# Altium PCB PCB2.PcbDoc (part 1 of 2)
Units mm, origin at the board's own origin, x right, y up, seen from the top; angles counter-clockwise.
Board outline 155 x 74.42 mm, 2 copper layers (Top Layer, Bottom Layer); 203 components, 228 nets, 626 pads, 108 vias.
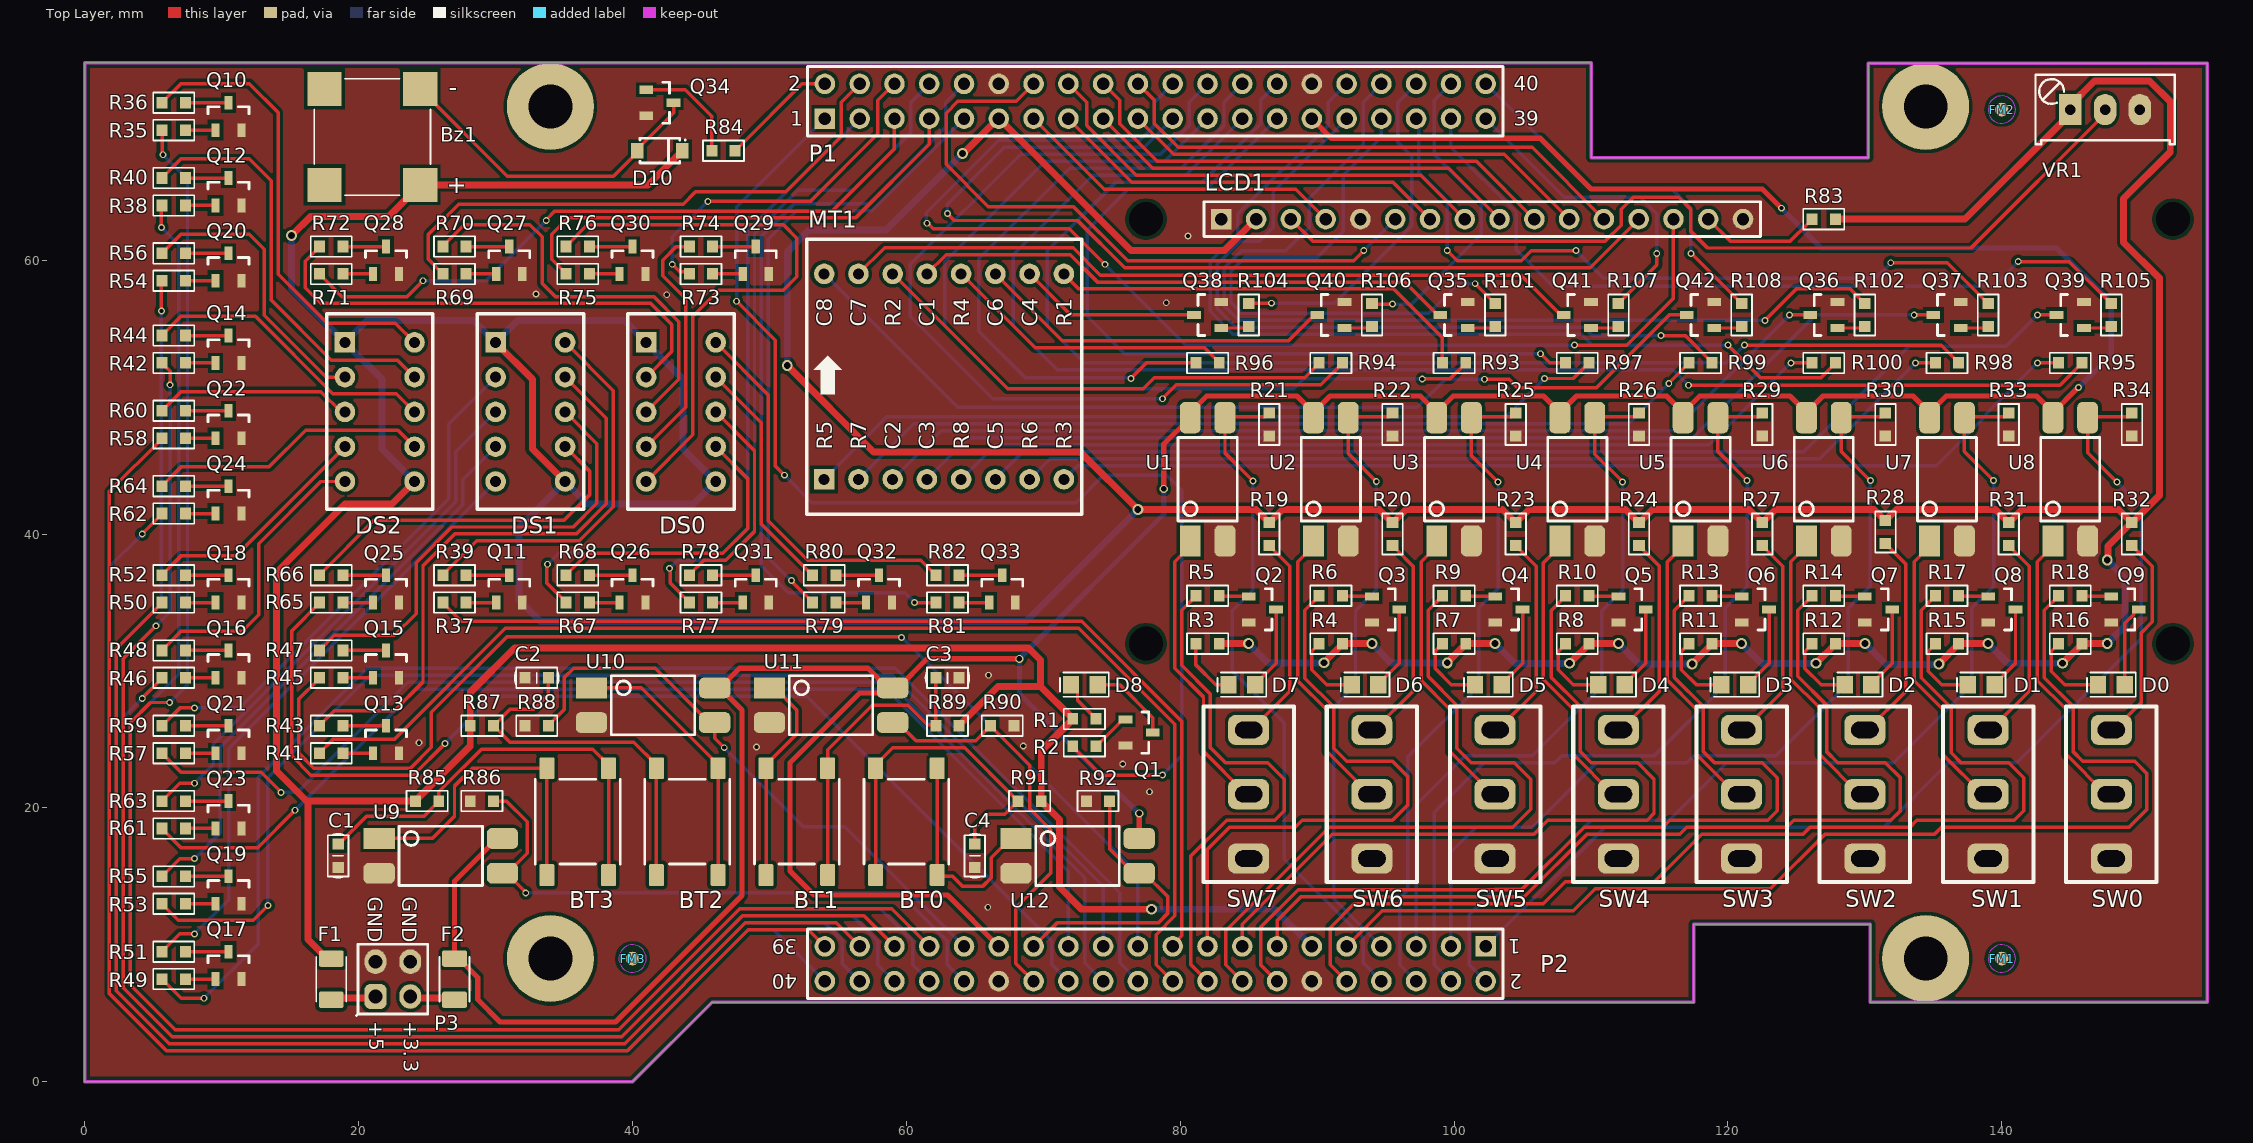
[diagram p0: Top Layer view]
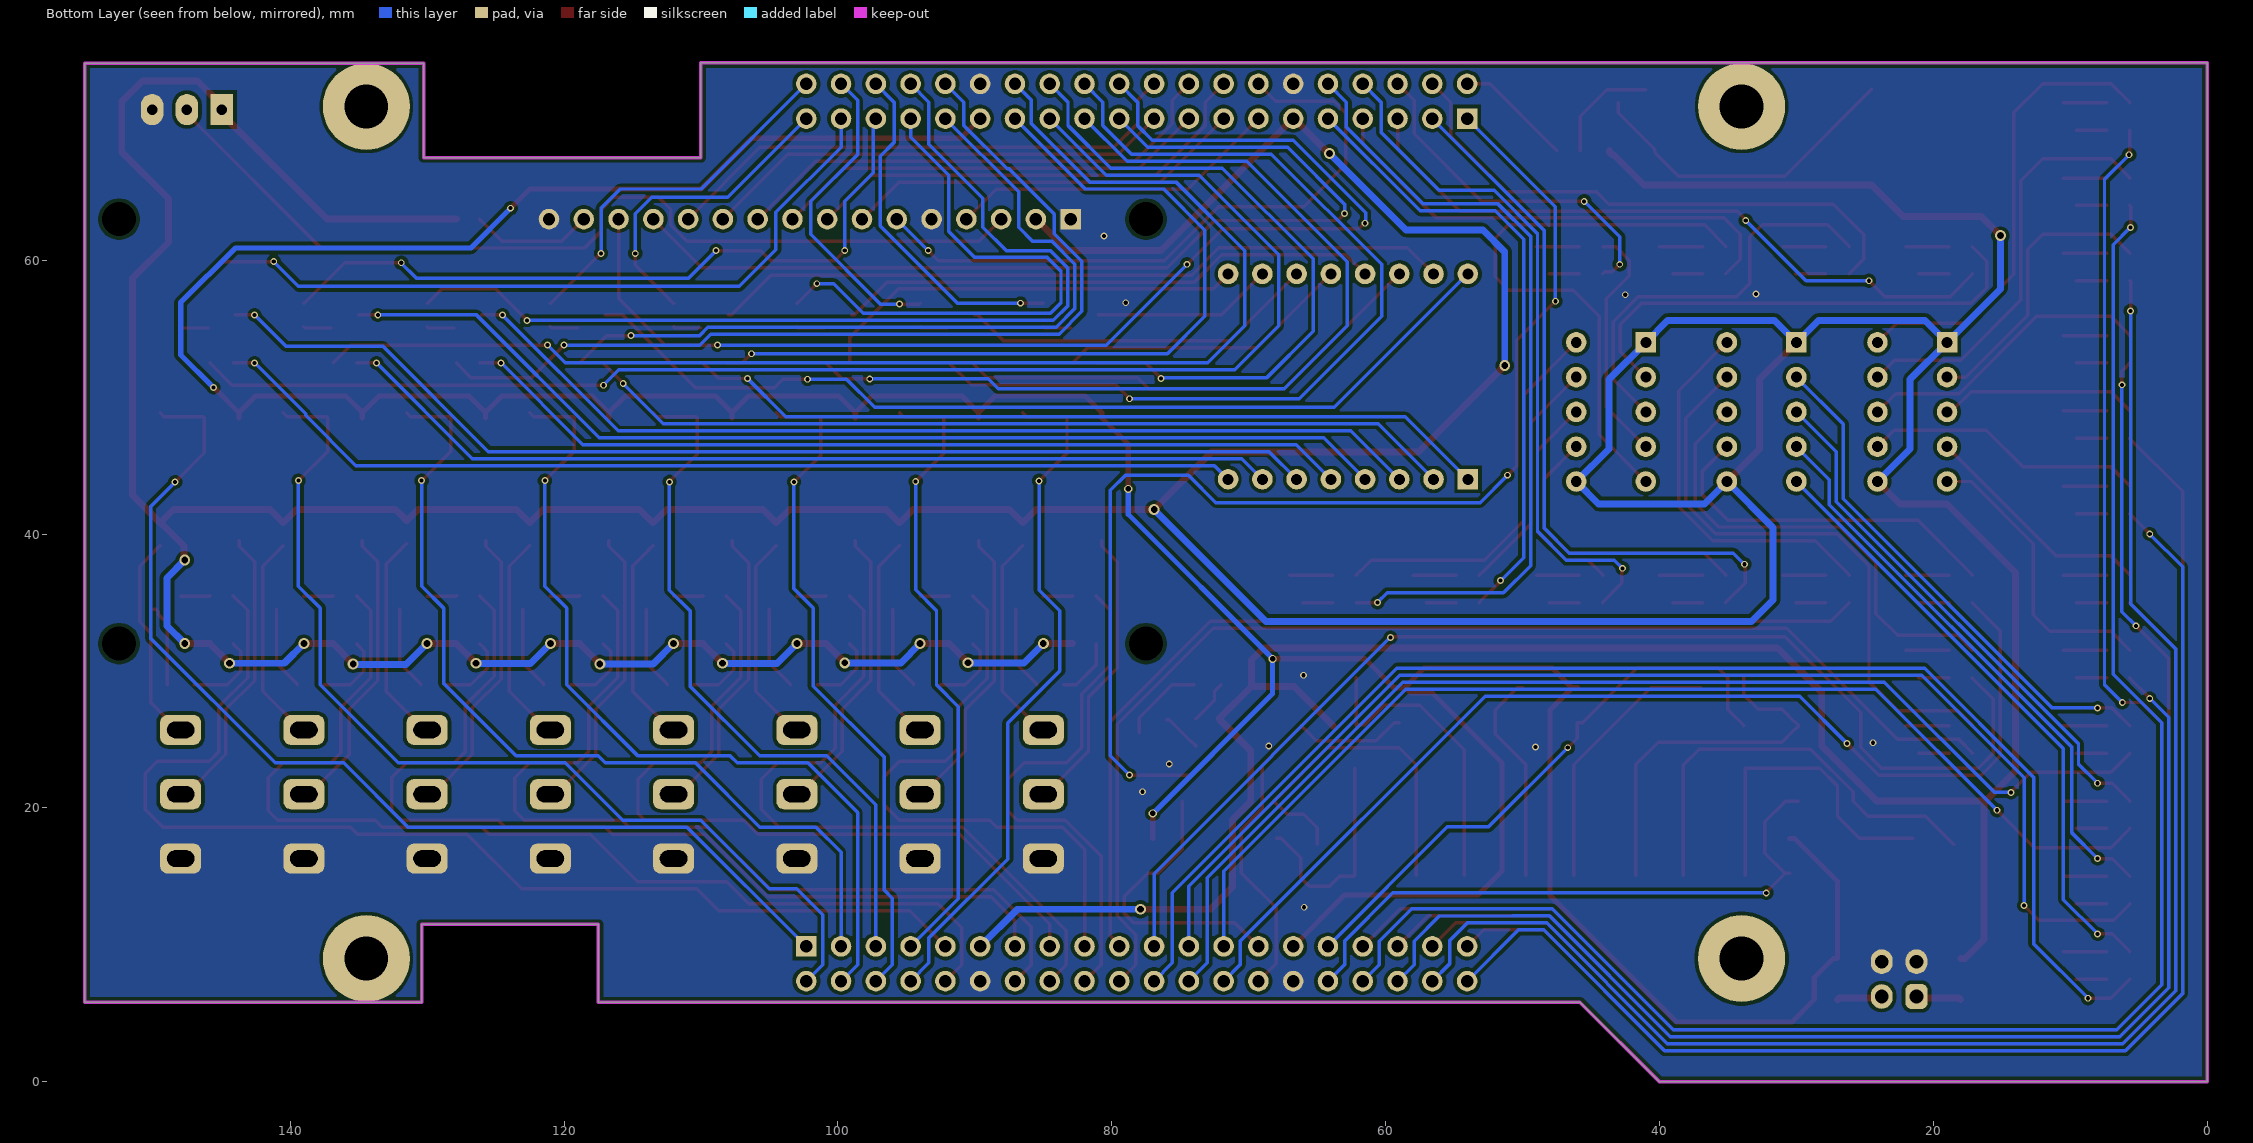
[diagram p1: Bottom Layer view, seen from below]

## Layer stack, top to bottom
Top Solder: solder mask 0.0102, Solder Resist, Dk 3.5
Top Layer: signal copper 0.0356
Dielectric 1: dielectric 0.32, FR-4, Dk 4.8
Bottom Layer: signal copper 0.0356
Bottom Solder: solder mask 0.0102, Solder Resist, Dk 3.5

## Board outline
0,0 0,74.418 110,74.418 110,67.5 130.25,67.5 130.25,74.392 155,74.392 155,5.812 130.4,5.812 130.4,11.5 117.5,11.5 117.5,5.812 45.812,5.812 40,0

## Design rules (kind name [scope] priority, off if disabled: settings)
Clearance [All] p1: gap=0.254 ignorepadtopadclearanceinfootprint=FALSE except(0: Arc-Hole Track-Hole SMDPad-Hole THPad-Hole Via-Hole Fill-Hole Poly-Hole Region-Hole Text-Hole; 0.15: SMDPad-Text THPad-Text; 0.33: Arc-THPad Track-THPad; 0.5: THPad-THPad)
DiffPairsRouting [All] p1: maxlimit=0.254 minlimit=0.254 mostfreqgap=0.254 toplayer_minwidth=0.127 toplayer_maxwidth=0.381 toplayer_prefwidth=0.381 bottomlayer_minwidth=0.127 bottomlayer_maxwidth=0.381 bottomlayer_prefwidth=0.381 maxuncoupledlength=12.7
HoleSize [All] p1: absolutevalues=TRUE maxlimit=6.3 minlimit=0.3 maxpercent=80.000 minpercent=20.000
HoleToHoleClearance [All] p1: gap=0.5 allowstackedmicrovias=TRUE
PlaneConnect [All] p1: planeconnectstyle=Direct reliefexpansion=0.508 reliefentries=4 reliefconductorwidth=0.254 reliefairgap=0.254
PolygonConnect [All] p1: connectstyle=Direct reliefconductorwidth=0.254 reliefentries=4 polygonreliefangle="90 Angle" airgapwidth=0.254
RoutingVias [All] p1: holewidth=0.711 width=1.27 viastyle="Through Hole" minholewidth=0.3 minwidth=0.5 maxholewidth=0.711 maxwidth=1.27
SilkToSolderMaskClearance [IsText] p1: minsilkscreentomaskgap=0.254 clearancetoexposedcopper=TRUE
SolderMaskExpansion [All] p1: expansion=0.05 istentingtop=FALSE
Width [All] p1: maxlimit=1.27 minlimit=0.127 preferedwidth=0.254
25 further rules are at their usual default settings.

## Classes and differential pairs
component class switch: R19 R20 R21 R22 R23 R24 R25 R26 R27 R28 R29 R30 R31 R32 R33 R34 SW0 SW1 SW2 SW3 SW4 SW5 SW6 SW7 U1 U2 U3 U4 U5 U6 U7 U8
component class matrix: MT1 Q35 Q36 Q37 Q38 Q39 Q40 Q41 Q42 R93 R94 R95 R96 R97 R98 R99 R100 R101 R102 R103 R104 R105 R106 R107 R108
component class led: D0 D1 D2 D3 D4 D5 D6 D7 D8 Q1 Q2 Q3 Q4 Q5 Q6 Q7 Q8 Q9 R1 R2 R3 R4 R5 R6 R7 R8 R9 R10 R11 R12 R13 R14 R15 R16 R17 R18
component class lcd: LCD1 R83 VR1
component class gpio: F1 F2 FM1 FM2 FM3 P1 P2 P3
component class buzzer: Bz1 D10 Q34 R84
component class button: BT0 BT1 BT2 BT3 C1 C2 C3 C4 R85 R86 R87 R88 R89 R90 R91 R92 U9 U10 U11 U12
component class 7seg: DS0 DS1 DS2 Q10 Q11 Q12 Q13 Q14 Q15 Q16 Q17 Q18 Q19 Q20 Q21 Q22 Q23 Q24 Q25 Q26 Q27 Q28 Q29 Q30 Q31 Q32 Q33 R35 R36 R37 R38 R39 R40 R41 R42 R43 R44 R45 R46 R47 R48 R49 R50 R51 R52 R53 R54 R55 R56 R57 R58 R59 R60 R61 R62 R63 R64 R65 R66 R67 R68 R69 R70 R71 R72 R73 R74 R75 R76 R77 R78 R79 R80 R81 R82

## Components (designator, comment, footprint, x,y, rotation, side; value= is the part's Value field where it differs from the comment)
BT0 "Button" SW/4/SMD/XS 60,19 r270 top
BT1 "Button" SW/4/SMD/XS 52,19 r90 top
BT2 "Button" SW/4/SMD/XS 44,19 r270 top
BT3 "Button" SW/4/SMD/XS 36,19 r90 top
Bz1 "Buzzer" CUI_CMT-8530S-SMT 21,69 r0 top
C1 "1uF" "C 0603" 18.5,16.5 r90 top
C2 "1uF" "C 0603" 33,29.5 r0 top
C3 "1uF" "C 0603" 63,29.5 r180 top
C4 "1uF" "C 0603" 65,16.5 r90 top
D0 "Led" "Led 0805" 148,29 r0 top
D1 "Led" "Led 0805" 138.5,29 r0 top
D2 "Led" "Led 0805" 129.5,29 r0 top
D3 "Led" "Led 0805" 120.5,29 r0 top
D4 "Led" "Led 0805" 111.5,29 r0 top
D5 "Led" "Led 0805" 102.5,29 r0 top
D6 "Led" "Led 0805" 93.5,29 r0 top
D7 "Led" "Led 0805" 84.5,29 r0 top
D8 "Led" "Led 0805 RED" 73,29 r0 top
D10 "Diode" SOD123 42,68 r0 top
DS0 "LED7 SA" "Led7seg 0.36in" 41,54 r0 top
DS1 "LED7 SA" "Led7seg 0.36in" 30,54 r0 top
DS2 "LED7 SA" "Led7seg 0.36in" 19,54 r0 top
F1 "Fuse" "Fuse 1206" 18,9 r270 top
F2 "Fuse" "Fuse 1206" 27,9 r270 top
FM1 "Fiducial" Fiducial 140,9 r0 top
FM2 "Fiducial" Fiducial 140,71 r90 top
FM3 "Fiducial" Fiducial 40,9 r90 top
LCD1 "Header 16" HDR1X16 83,63 r0 top locked
MT1 "Matrix 8x8S" "Led Matrix 1.9mm" 54,44 r0 top
P1 "Header 20X2" "Header FM 2x20" 54.05,70.34 r0 top locked
P2 "Header 20X2" "Header FM 2x20" 102.31,9.89 r180 top locked
P3 "Header 2X2" HDR/Header/4/DL 22.5,7.5 r0 top
Q1 "NPN" SOT-23 77,25.5 r0 top
Q2 "NPN" SOT-23 86,34.5 r0 top
Q3 "NPN" SOT-23 95,34.5 r0 top
Q4 "NPN" SOT-23 104,34.5 r0 top
Q5 "NPN" SOT-23 113,34.5 r0 top
Q6 "NPN" SOT-23 122,34.5 r0 top
Q7 "NPN" SOT-23 131,34.5 r0 top
Q8 "NPN" SOT-23 140,34.5 r0 top
Q9 "NPN" SOT-23 149,34.5 r0 top
Q10 "NPN" SOT-23 10.5,70.5 r90 top
Q11 "NPN" SOT-23 31,36 r90 top
Q12 "NPN" SOT-23 10.5,65 r90 top
Q13 "NPN" SOT-23 22,25 r90 top
Q14 "NPN" SOT-23 10.5,53.5 r90 top
Q15 "NPN" SOT-23 22,30.5 r90 top
Q16 "NPN" SOT-23 10.5,30.5 r90 top
Q17 "NPN" SOT-23 10.5,8.5 r90 top
Q18 "NPN" SOT-23 10.5,36 r90 top
Q19 "NPN" SOT-23 10.5,14 r90 top
Q20 "NPN" SOT-23 10.5,59.5 r90 top
Q21 "NPN" SOT-23 10.5,25 r90 top
Q22 "NPN" SOT-23 10.5,48 r90 top
Q23 "NPN" SOT-23 10.5,19.5 r90 top
Q24 "NPN" SOT-23 10.5,42.5 r90 top
Q25 "NPN" SOT-23 22,36 r90 top
Q26 "NPN" SOT-23 40,36 r90 top
Q27 "NPN" SOT-23 31,60 r90 top
Q28 "NPN" SOT-23 22,60 r90 top
Q29 "NPN" SOT-23 49,60 r90 top
Q30 "NPN" SOT-23 40,60 r90 top
Q31 "NPN" SOT-23 49,36 r90 top
Q32 "NPN" SOT-23 58,36 r90 top
Q33 "NPN" SOT-23 67,36 r90 top
Q34 "NPN" SOT-23 42,71.5 r0 top
Q35 "NPN" SOT-23 100,56 r180 top
Q36 "NPN" SOT-23 127,56 r180 top
Q37 "NPN" SOT-23 136,56 r180 top
Q38 "NPN" SOT-23 82,56 r180 top
Q39 "NPN" SOT-23 145,56 r180 top
Q40 "NPN" SOT-23 91,56 r180 top
Q41 "NPN" SOT-23 109,56 r180 top
Q42 "NPN" SOT-23 118,56 r180 top
R1 "330" "R 0603" 73,26.5 r0 top
R2 "10k" "R 0603" 73,24.5 r0 top
R3 "330" "R 0603" 82,32 r180 top
R4 "330" "R 0603" 91,32 r180 top
R5 "10k" "R 0603" 82,35.5 r0 top
R6 "10k" "R 0603" 91,35.5 r0 top
R7 "330" "R 0603" 100,32 r180 top
R8 "330" "R 0603" 109,32 r180 top
R9 "10k" "R 0603" 100,35.5 r0 top
R10 "10k" "R 0603" 109,35.5 r0 top
R11 "330" "R 0603" 118,32 r180 top
R12 "330" "R 0603" 127,32 r180 top
R13 "10k" "R 0603" 118,35.5 r0 top
R14 "10k" "R 0603" 127,35.5 r0 top
R15 "330" "R 0603" 136,32 r180 top
R16 "330" "R 0603" 145,32 r180 top
R17 "10k" "R 0603" 136,35.5 r0 top
R18 "10k" "R 0603" 145,35.5 r0 top
R19 "1k" "R 0603" 86.5,40 r270 top
R20 "1k" "R 0603" 95.5,40 r270 top
R21 "10k" "R 0603" 86.5,48 r90 top
R22 "10k" "R 0603" 95.5,48 r90 top
R23 "1k" "R 0603" 104.5,40 r270 top
R24 "1k" "R 0603" 113.5,40 r270 top
R25 "10k" "R 0603" 104.5,48 r90 top
R26 "10k" "R 0603" 113.5,48 r90 top
R27 "1k" "R 0603" 122.5,40 r270 top
R28 "1k" "R 0603" 131.5,40.15 r270 top
R29 "10k" "R 0603" 122.5,48 r90 top
R30 "10k" "R 0603" 131.5,48 r90 top
R31 "1k" "R 0603" 140.5,40 r270 top
R32 "1k" "R 0603" 149.5,40 r270 top
R33 "10k" "R 0603" 140.5,48 r90 top
R34 "10k" "R 0603" 149.5,48 r90 top
R35 "10k" "R 0603" 6.5,69.5 r0 top
R36 "1k" "R 0603" 6.5,71.5 r180 top
R37 "10k" "R 0603" 27,35 r0 top
R38 "10k" "R 0603" 6.5,64 r0 top
R39 "1k" "R 0603" 27,37 r180 top
R40 "1k" "R 0603" 6.5,66 r180 top
R41 "10k" "R 0603" 18,24 r0 top
R42 "10k" "R 0603" 6.5,52.5 r0 top
R43 "1k" "R 0603" 18,26 r180 top
R44 "1k" "R 0603" 6.5,54.5 r180 top
R45 "10k" "R 0603" 18,29.5 r0 top
R46 "10k" "R 0603" 6.5,29.5 r0 top
R47 "1k" "R 0603" 18,31.5 r180 top
R48 "1k" "R 0603" 6.5,31.5 r180 top
R49 "10k" "R 0603" 6.5,7.5 r0 top
R50 "10k" "R 0603" 6.5,35 r0 top
R51 "1k" "R 0603" 6.5,9.5 r180 top
R52 "1k" "R 0603" 6.5,37 r180 top
R53 "10k" "R 0603" 6.5,13 r0 top
R54 "10k" "R 0603" 6.5,58.5 r0 top
R55 "1k" "R 0603" 6.5,15 r180 top
R56 "1k" "R 0603" 6.5,60.5 r180 top
R57 "10k" "R 0603" 6.5,24 r0 top
R58 "10k" "R 0603" 6.5,47 r0 top
R59 "1k" "R 0603" 6.5,26 r180 top
R60 "1k" "R 0603" 6.5,49 r180 top
R61 "10k" "R 0603" 6.5,18.5 r0 top
R62 "10k" "R 0603" 6.5,41.5 r0 top
R63 "1k" "R 0603" 6.5,20.5 r180 top
R64 "1k" "R 0603" 6.5,43.5 r180 top
R65 "10k" "R 0603" 18,35 r0 top
R66 "1k" "R 0603" 18,37 r180 top
R67 "10k" "R 0603" 36,35 r0 top
R68 "1k" "R 0603" 36,37 r180 top
R69 "10k" "R 0603" 27,59 r0 top
R70 "1k" "R 0603" 27,61 r180 top
R71 "10k" "R 0603" 18,59 r0 top
R72 "1k" "R 0603" 18,61 r180 top
R73 "10k" "R 0603" 45,59 r0 top
R74 "1k" "R 0603" 45,61 r180 top
R75 "10k" "R 0603" 36,59 r0 top
R76 "1k" "R 0603" 36,61 r180 top
R77 "10k" "R 0603" 45,35 r0 top
R78 "1k" "R 0603" 45,37 r180 top
R79 "10k" "R 0603" 54,35 r0 top
R80 "1k" "R 0603" 54,37 r180 top
R81 "10k" "R 0603" 63,35 r0 top
R82 "1k" "R 0603" 63,37 r180 top
R83 "1k" "R 0603" 127,63 r180 top
R84 "4.7k" "R 0603" 46.65,68 r180 top
R85 "1k" "R 0603" 25,20.5 r0 top
R86 "10k" "R 0603" 29,20.5 r0 top
R87 "1k" "R 0603" 29,26 r0 top
R88 "10k" "R 0603" 33,26 r0 top
R89 "1k" "R 0603" 63,26 r180 top
R90 "10k" "R 0603" 67,26 r180 top
R91 "1k" "R 0603" 69,20.5 r180 top
R92 "10k" "R 0603" 74,20.5 r0 top
R93 "1k" "R 0603" 100,52.5 r180 top
R94 "1k" "R 0603" 91,52.5 r180 top
R95 "1k" "R 0603" 145,52.5 r180 top
R96 "1k" "R 0603" 82,52.5 r0 top
R97 "1k" "R 0603" 109,52.5 r0 top
R98 "1k" "R 0603" 136,52.5 r180 top
R99 "1k" "R 0603" 118,52.5 r180 top
R100 "1k" "R 0603" 127,52.5 r180 top
R101 "10k" "R 0603" 103,56 r270 top
R102 "10k" "R 0603" 130,56 r270 top
R103 "10k" "R 0603" 139,56 r270 top
R104 "10k" "R 0603" 85,56 r270 top
R105 "10k" "R 0603" 148,56 r270 top
R106 "10k" "R 0603" 94,56 r270 top
R107 "10k" "R 0603" 112,56 r270 top
R108 "10k" "R 0603" 121,56 r270 top
SW0 "SW SPDT" SW/3/SPDT/SS12D10 148,21 r90 top
SW1 "SW SPDT" SW/3/SPDT/SS12D10 139,21 r90 top
SW2 "SW SPDT" SW/3/SPDT/SS12D10 130,21 r90 top
SW3 "SW SPDT" SW/3/SPDT/SS12D10 121,21 r90 top
SW4 "SW SPDT" SW/3/SPDT/SS12D10 112,21 r90 top
SW5 "SW SPDT" SW/3/SPDT/SS12D10 103,21 r90 top
SW6 "SW SPDT" SW/3/SPDT/SS12D10 94,21 r90 top
SW7 "SW SPDT" SW/3/SPDT/SS12D10 85,21 r90 top
U1 "PC817" "SOP4 - PC817" 82,44 r90 top
U2 "PC817" "SOP4 - PC817" 91,44 r90 top
U3 "PC817" "SOP4 - PC817" 100,44 r90 top
U4 "PC817" "SOP4 - PC817" 109,44 r90 top
U5 "PC817" "SOP4 - PC817" 118,44 r90 top
U6 "PC817" "SOP4 - PC817" 127,44 r90 top
U7 "PC817" "SOP4 - PC817" 136,44 r90 top
U8 "PC817" "SOP4 - PC817" 145,44 r90 top
U9 "PC817" "SOP4 - PC817" 26,16.5 r0 top
U10 "PC817" "SOP4 - PC817" 41.5,27.5 r0 top
U11 "PC817" "SOP4 - PC817" 54.5,27.5 r0 top
U12 "PC817" "SOP4 - PC817" 72.5,16.5 r0 top
VR1 "10K" VR1 145,71 r0 top value="VR 10K"

## Footprints (in the part's own frame and the unit in brackets; to place one, negate y for a bottom-side part, rotate by r counter-clockwise, add the part's x,y. Pads: shape width x height; smd on the part's side, far side on the other; paste and mask are expansions set on the pad)
"C 0603" [mm] "Chip Capacitor, 2-Leads, Body 1.6x0.8mm, IPC Medium Density"
  rect 0.8x0.85 smd: 1(-0.85,0) 2(0.85,0)
  silkscreen extent -1.6,-0.75 1.6,0.75, body extent -0.8,-0.43 0.8,0.43, height 0.81
CUI_CMT-8530S-SMT [mm]
  rect 2.5x2.5 smd: 1(-3.5,3.5) 2(-3.5,-3.5) N(3.5,3.5) P(3.5,-3.5)
  silkscreen extent -4.25,-4.25 4.25,4.25, body extent -4.25,-4.25 4.25,4.25, height 3
Fiducial [mm] "Fiducial Marker"
  round 1 smd paste-1 mask+0.5: ""(0,0)
  Top Layer keep-out circle w0.01: c0,0 r1
  body extent -0.5,-0.5 0.5,0.5
"Fuse 1206" [mm]
  rrect25% 1.2x1.82 smd: 1(0,0) 2(3.01,0)
  silkscreen extent -0.12,-1.09 3.14,1.09, body extent -0.13,-0.82 3.13,0.82, height 0.43
HDR1X16 [mm] "Connector; Header; 16 Position"
  rect 1.5x1.5 hole 0.9: 1(0,0)
  round 1.5 hole 0.9: 2(2.54,0) 3(5.08,0) 4(7.62,0) 5(10.16,0) 6(12.7,0) 7(15.24,0) 8(17.78,0) 9(20.32,0) 10(22.86,0) 11(25.4,0) 12(27.94,0) 13(30.48,0) 14(33.02,0) 15(35.56,0) 16(38.1,0)
  silkscreen extent -1.27,-1.27 39.37,1.27, body extent -1.41,-1.26 39.48,1.24, height 7.92
HDR/Header/4/DL [mm]
  rrect50% 1.6x1.8 hole 1: 1(-1.27,-1.27)
  oval 1.6x1.8 hole 1: 2(-1.27,1.27) 3(1.27,-1.27) 4(1.27,1.27)
  silkscreen extent -2.67,-2.67 2.54,2.54, body extent -2.54,-2.54 2.54,2.54, height 8.89
"Header FM 2x20" [mm] "Header Female 2x20"
  rect 1.5x1.5 hole 0.9: 1(0,0)
  round 1.5 hole 0.9: 2(0,2.54) 3(2.54,0) 4(2.54,2.54) 5(5.08,0) 6(5.08,2.54) 7(7.62,0) 8(7.62,2.54) 9(10.16,0) 10(10.16,2.54) 11(12.7,0) 12(12.7,2.54) 13(15.24,0) 14(15.24,2.54) 15(17.78,0) 16(17.78,2.54) 17(20.32,0) 18(20.32,2.54) 19(22.86,0) 20(22.86,2.54) 21(25.4,0) 22(25.4,2.54) 23(27.94,0) 24(27.94,2.54) 25(30.48,0) 26(30.48,2.54) 27(33.02,0) 28(33.02,2.54) 29(35.56,0) 30(35.56,2.54) 31(38.1,0) 32(38.1,2.54) 33(40.64,0) 34(40.64,2.54) 35(43.18,0) 36(43.18,2.54) 37(45.72,0) 38(45.72,2.54) 39(48.26,0) 40(48.26,2.54)
  silkscreen extent -1.27,-1.27 49.53,3.81, body extent -1.42,-1.27 49.68,3.73, height 8.5
"Led7seg 0.36in" [mm] "Led 7 segment 7.5x14x8.5mm"
  rect 1.5x1.5 hole 0.8: 1(0,0)
  round 1.5 hole 0.8: 2(0,-2.54) 3(0,-5.08) 4(0,-7.62) 5(0,-10.16) 6(5.08,-10.16) 7(5.08,-7.62) 8(5.08,-5.08) 9(5.08,-2.54) 10(5.08,0)
  silkscreen extent -1.35,-12.19 6.43,2.08, body extent -1.21,-12.05 6.29,1.95, height 8.5
"Led 0805" [mm] "Led SMD 0805"
  rect 1.2x1.3 smd: 1(-0.975,0) 2(0.975,0)
  silkscreen extent -1.78,-0.89 1.78,0.89, body extent -1.01,-0.64 1.01,0.61, height 1.1
"Led 0805 RED" [mm] "Led SMD 0805"
  rect 1.2x1.3 smd: 1(-0.975,0) 2(0.975,0)
  silkscreen extent -1.78,-0.89 1.78,0.89, body extent -1.01,-0.63 1.01,0.62, height 1.1
"Led Matrix 1.9mm" [mm] "Led Matrix 8x8 - 20 x 20 x 9.5mm"
  rect 1.5x1.5 hole 0.8: 1(0,0)
  round 1.5 hole 0.8: 2(2.5,0) 3(5,0) 4(7.5,0) 5(10,0) 6(12.5,0) 7(15,0) 8(17.5,0) 9(17.5,15) 10(15,15) 11(12.5,15) 12(10,15) 13(7.5,15) 14(5,15) 15(2.5,15) 16(0,15)
  silkscreen extent -1.27,-2.54 18.8,17.53, body extent -1.24,-2.51 18.76,17.49, height 6
"R 0603" [mm] "Chip Resistor, 2-Leads, Body 1.6x0.8mm, IPC Medium Density"
  rect 0.8x0.85 smd: 1(-0.85,0) 2(0.85,0)
  silkscreen extent -1.5,-0.75 1.5,0.75, body extent -0.8,-0.4 0.8,0.4, height 0.5
SOD123 [mm] "Molded Diode, 2-Leads, Body 2.7x1.6mm, IPC Medium Density"
  rect 0.91x1.143 smd: 1(-1.64,0) 2(1.64,0)
  silkscreen extent -1.45,-0.9 1.9,0.9, body extent -1.85,-0.78 1.85,0.77, height 1.35
"SOP4 - PC817" [mil]
  rect 90x60 smd: 1(-177.17,50)
  rrect50% 90x60 smd: 2(-177.17,-50) 3(177.17,-50) 4(177.17,50)
  silkscreen extent -120,-85 120,85, body extent -197,-90 197,90, height 151
SOT-23 [mm] "SOT23, 3-Leads, Body 3.0x2.5mm (max), Pitch 0.95mm, IPC Medium Density"
  rect 1x0.6 smd: 1(-1,0.95) 2(-1,-0.95) 3(1,0)
  silkscreen extent 0.2,-1.5 0.7,1.5, body extent -1.28,-1.46 1.27,1.46, height 0.95
SW/3/SPDT/SS12D10 [mm]
  rrect50% 2.2x3 hole 1.2 slot 2 at 90 deg: 1(-4.7,0) 2(0,0) 3(4.7,0)
  silkscreen extent -6.4,-3.3 6.4,3.3, body extent -6.4,-3.3 6.35,3.8, height 12.5
SW/4/SMD/XS [mm]
  rrect20% 1.6x1.1 smd: 1(-3.9,-2.25) 1(3.9,-2.25) 2(-3.9,2.25) 2(3.9,2.25)
  silkscreen extent -3.1,-3.1 3.1,3.1, body extent -4.5,-3 4.5,3, height 7
VR1 [mil] "Variable Resistor"
  rect 65x90 hole 30: 1(0,0)
  oval 65x90 hole 30: 2(100,0) 3(200,0)
  silkscreen extent -100,-100 301,100, body extent -88,-130 288,110, height 455

## Part data
BT0 BT1 BT2 BT3: library part "SW SPST", "Tact switch 2 pin"
Bz1: library part CMT-8530S-SMT, "8.5 mm, 3.6 Vo-p, 90 dB, Surface Mount _SMT_, Magnetic Audio Transducer Buzzer", Package=CUI, Availability=Unavailable, CUI_purchase_URL=https://www.cuidevices.com/product/audio/buzzers/audio-transducers/cmt-8530s-smt-tr?utm_source=snapeda.com&utm_medium=referral&utm_campaign=snapedaBOM, MF="CUI Devices", MP=CMT-8530S-SMT-TR, Price=None, SnapEDA_Link=https://www.snapeda.com/parts/CMT-8530S-SMT-TR/CUI%20Devices/view-part/649163/?ref=snap
C1 C2 C3 C4: library part "Capacitor NP", "Capacitor non-pol"
D0 D1 D2 D3 D4 D5 D6 D7 D8: "Typical LED"
D10: "Default Diode"
FM1 FM2 FM3: "Fiducial Marker"
LCD1: "Header, 16-Pin", LatestRevisionDate=17-Jul-2002, LatestRevisionNote="Re-released for DXP Platform.", Publisher="Altium Limited"
MT1: library part "LED 8x8S", "Matrix 8x8,  Single colour"
P1 P2: "Header, 20-Pin, Dual row", LatestRevisionDate=17-Jul-2002, LatestRevisionNote="Re-released for DXP Platform.", Publisher="Altium Limited"
P3: "Header, 2-Pin, Dual row"
Q1 Q2 Q3 Q4 Q5 Q6 Q7 Q8 Q9 Q10 Q11 Q12 Q13 Q14 Q15 Q16 Q17 Q18 Q19 Q20 Q21 Q22 Q23 Q24 Q25 Q26 Q27 Q28 Q29 Q30 Q31 Q32 Q33 Q34 Q35 Q36 Q37 Q38 Q39 Q40 Q41 Q42: library part "Transistor NPN", "NPN Bipolar Transistor"
R1 R2 R3 R4 R5 R6 R7 R8 R9 R10 R11 R12 R13 R14 R15 R16 R17 R18 R19 R20 R21 R22 R23 R24 R25 R26 R27 R28 R29 R30 R31 R32 R33 R34 R35 R36 R37 R38 R39 R40 R41 R42 R43 R44 R45 R46 R47 R48 R49 R50 R51 R52 R53 R54 R55 R56 R57 R58 R59 R60 R61 R62 R63 R64 R65 R66 R67 R68 R69 R70 R71 R72 R73 R74 R75 R76 R77 R78 R79 R80 R81 R82 R83 R84 R85 R86 R87 R88 R89 R90 R91 R92 R93 R94 R95 R96 R97 R98 R99 R100 R101 R102 R103 R104 R105 R106 R107 R108: library part Resistor, "Resistor"
U1 U2 U3 U4 U5 U6 U7 U8 U9 U10 U11 U12: "Opto PC817B"
VR1: library part VR1, "Var Resistor"

## Free pads (board coordinates)
  round 0 hole 2.5: 12(77.5,63) 13(77.5,32) 14(152.5,63) 15(152.5,32)
  round 6.35 hole 3.2: ""(34,9) ""(34,71.23) ""(134.44,9) ""(134.44,71.23)

## Via types
v1: diameter 0.5, hole 0.3, Top Layer to Bottom Layer, 84 vias
v2: diameter 0.8, hole 0.5, Top Layer to Bottom Layer, 21 vias
v3: diameter 0.6, hole 0.4, Top Layer to Bottom Layer, 3 vias

## Nets (pads, with @x,y where several pads share a name; then routed paths per layer and width w, separated by ;. In a path a pad name is that pad's centre, name@x,y a point inside that pad or via, vN(x,y) a via of type N, cw(c..) or ccw(c..) an arc to the next point about the centre after c; other vN are vias at no path point)
+3.3: F2.1 P1.29 P2.29 U1.4 U2.4 U3.4 U4.4 U5.4 U6.4 U7.4 U8.4 U9.4 U10.4 U11.4 U12.4 | length 299.4
  Top Layer w0.381: U9.4@30.5,17.77 30.119,17.77 27,14.651 F2.1@27,9 27.31,9 28.7,7.61 28.7,6 30.329,4.372 38.763,4.372 48,13.608 48,27.151 U10.4@46.381,28.77 ; U10.4@46,28.77 U10.4@46.381,28.77 ; U11.4@58.516,28.77 58.146,28.4 56.6,28.4 51.5,23.3 51.5,15.4 53.265,13.635 63.005,13.635 P2.29@66.75,9.89 ; v3(68.259,30.887) 68.246,30.9 61.511,30.9 59.381,28.77 58.619,28.77 57.189,30.2 47.811,30.2 U10.4@46.381,28.77 ; U12.4@77,17.77 v3(77,19.6) ; v3(78.8,43.3) 78.8,46.57 U1.4@80.73,48.5 80.73,48.881 81.937,50.088 88.524,50.088 U2.4@89.73,48.881 ; P1.29@89.61,70.34 91.05,68.9 106.3,68.9 110,65.2 122.5,65.2 v1(123.9,63.8) ; U2.4@89.73,48.5 U2.4@89.73,48.881 ; U3.4@98.73,48.5 U3.4@98.73,48.881 ; U4.4@107.73,48.5 U4.4@107.73,48.881 ; U5.4@116.73,48.5 U5.4@116.73,48.881 ; U6.4@125.73,48.5 U6.4@125.73,48.881 ; U7.4@134.73,48.5 U7.4@134.73,48.881 ; U8.4@143.73,48.5 U8.4@143.73,48.856 ; v1(145.6,50.7) 145.575,50.7 U8.4@143.73,48.856 ; U2.4@89.73,48.881 90.937,50.088 97.524,50.088 U3.4@98.73,48.881 ; U3.4@98.73,48.881 99.937,50.088 106.524,50.088 U4.4@107.73,48.881 ; U4.4@107.73,48.881 108.937,50.088 115.524,50.088 U5.4@116.73,48.881 ; U5.4@116.73,48.881 117.937,50.088 124.524,50.088 U6.4@125.73,48.881 ; U6.4@125.73,48.881 126.937,50.088 133.524,50.088 U7.4@134.73,48.881 ; U7.4@134.73,48.881 135.937,50.088 142.524,50.088 143.73,48.881 U8.4@143.73,48.856
  Bottom Layer w0.381: P2.29@66.75,9.89 P2.29@66.77,9.89 ; v3(68.259,30.887) 68.259,28.341 v3(77,19.6) ; v3@68.259,30.907 78.8,41.448 v3(78.8,43.3) ; v1(123.9,63.8) 126.8,60.9 144,60.9 148,56.9 148,53.1 v1(145.6,50.7)
+5: Bz1.P D10.2 DS0.1 DS0.6 DS1.1 DS1.6 DS2.1 DS2.6 F1.1 LCD1.2 P1.11 P2.11 R1.1 R3.1 R4.1 R7.1 R8.1 R11.1 R12.1 R15.1 R16.1 R19.1 R20.1 R23.1 R24.1 R27.1 R28.1 R31.1 R32.1 R83.1 R85.1 R87.1 R89.1 R91.1 VR1.1 | length 631.3
  Top Layer w0.508: v2(15.1,61.8) 16.5,63.2 22.2,63.2 Bz1.P@24.5,65.5 41.14,65.5 43.323,67.683 43.439,67.683 43.64,67.884 D10.2@43.64,68 ; F1.1@18,9 17.69,9 16.3,10.39 16.3,20.4 ; DS2.6@24.08,43.84 22.44,42.2 19,42.2 14,37.2 14,22.7 16.3,20.4 ; DS1.1@30,54 32.693,51.307 32.693,46.227 DS1.6@35.08,43.84 ; v2(51.3,52.3) 57.6,46 72.7,46 v2(76.9,41.8) 85.525,41.8 86.475,40.85 R19.1@86.5,40.85 86.525,40.85 87.475,41.8 94.525,41.8 95.475,40.85 R20.1@95.5,40.85 95.525,40.85 96.475,41.8 103.525,41.8 104.475,40.85 R23.1@104.5,40.85 104.525,40.85 105.475,41.8 112.525,41.8 113.475,40.85 R24.1@113.5,40.85 113.525,40.85 114.475,41.8 121.525,41.8 122.475,40.85 R27.1@122.5,40.85 122.525,40.85 123.475,41.8 130.675,41.8 131.475,41 R28.1@131.5,41 131.525,41 131.671,41.146 131.671,41.171 132.3,41.8 139.525,41.8 140.475,40.85 R31.1@140.5,40.85 140.525,40.85 141.475,41.8 148.525,41.8 R32.1@149.475,40.85 ; R89.1@63.85,26 63.85,26.025 66.691,28.866 69.809,28.866 ; v2(64.1,67.8) 64.155,67.8 66.695,70.34 P1.11@66.75,70.34 76.39,60.7 83.24,60.7 LCD1.2@85.54,63 ; v2(77.9,12.6) 72.8,12.6 71.18,14.22 71.18,19.145 69.85,20.475 R91.1@69.85,20.5 69.85,24.175 72.15,26.475 R1.1@72.15,26.5 72.15,26.525 69.809,28.866 ; R3.1@82.85,32 v2(85,32) ; v2(90.502,30.602) 90.502,30.627 91.85,31.975 R4.1@91.85,32 v2(94,32) ; v2(99.5,30.6) 99.5,30.625 100.85,31.975 R7.1@100.85,32 v2(103,32) ; v2(108.44,30.565) 109.85,31.975 R8.1@109.85,32 v2(112,32) ; v2(117.39,30.515) 118.85,31.975 R11.1@118.85,32 v2(121,32) ; v2(126.44,30.565) 127.85,31.975 R12.1@127.85,32 v2(130,32) ; R83.1@127.85,63 137.318,63 145,70.683 VR1.1@145,71 145,71.318 146.783,73.1 150.8,73.1 152.3,71.6 152.3,67.9 148.9,64.5 148.9,61.3 151.5,58.7 151.5,42.825 149.525,40.85 R32.1@149.5,40.85 149.354,40.704 149.329,40.704 147.756,39.131 147.756,38.156 v2(147.7,38.1) ; v2(135.397,30.515) 135.397,30.522 136.85,31.975 R15.1@136.85,32 v2(139,32) ; v2(144.44,30.565) 145.85,31.975 R16.1@145.85,32 v2(147.7,32) ; 16.3,20.4 16.4,20.5 R85.1@24.15,20.5 24.15,20.525 28.15,24.525 R87.1@28.15,26 28.15,28.45 31.395,31.695 68.905,31.695 69.809,30.791 69.809,28.866
  Bottom Layer w0.508: v2(15.1,61.8) 15.1,57.9 DS2.1@19,54 ; DS2.6@24.08,43.84 21.693,46.227 21.693,51.307 DS2.1@19,54 ; v2(51.3,52.3) 51.3,60.6 52.9,62.2 58.5,62.2 v2(64.1,67.8) ; v2(76.9,41.8) 68.725,33.625 33.275,33.625 31.7,35.2 31.7,40.46 DS1.6@35.08,43.84 36.72,42.2 44.44,42.2 DS0.6@46.08,43.84 43.693,46.227 43.693,51.307 DS0.1@41,54 39.4,55.6 31.6,55.6 DS1.1@30,54 28.4,55.6 20.6,55.6 DS2.1@19,54 ; v2(77.9,12.6) 86.9,12.6 P2.11@89.61,9.89 ; v2(85,32) 86.4,30.6 90.5,30.6 v2(90.502,30.602) ; v2(94,32) 95.4,30.6 v2(99.5,30.6) ; v2(103,32) 104.446,30.554 108.429,30.554 v2(108.44,30.565) ; v2(112,32) 113.485,30.515 v2(117.39,30.515) ; v2(121,32) 122.446,30.554 126.429,30.554 v2(126.44,30.565) ; v2(130,32) 131.535,30.465 135.347,30.465 v2(135.397,30.515) ; v2(139,32) 140.435,30.565 ; 140.565,30.565 v2(144.44,30.565) ; v2(147.7,32) 149,33.3 149,36.8 v2(147.7,38.1)
a1: DS2.10 R36.2 | length 33.8
  Top Layer w0.254: R36.2@5.65,71.5 5.65,71.525 7.025,72.9 12,72.9 14.116,70.784 14.116,58.984 17.7,55.4 22.68,55.4 DS2.10@24.08,54
a2: DS1.10 R39.2 | length 28
  Top Layer w0.254: R39.2@26.15,37 26.15,37.025 28.625,39.5 36.1,39.5 38.6,42 38.6,50.48 DS1.10@35.08,54
a3: DS0.10 R82.2 | length 28.5
  Top Layer w0.254: DS0.10@46.08,54 49.924,50.156 49.924,40.976 52.8,38.1 61.05,38.1 61.852,37.298 61.877,37.298 62.15,37.025 R82.2@62.15,37
b1: DS2.9 R40.2 | length 30.7
  Top Layer w0.254: R40.2@5.65,66 5.65,66.025 7.025,67.4 12,67.4 13.608,65.792 13.608,57.092 18,52.7 22.84,52.7 DS2.9@24.08,51.46
b2: DS1.9 R43.2 | length 43.1
  Top Layer w0.254: R43.2@17.15,26 17.15,26.025 18.225,27.1 22.6,27.1 24.7,29.2 24.7,37.7 27.008,40.008 35.89,40.008 38.092,42.21 38.092,48.448 DS1.9@35.08,51.46
b3: DS0.9 R80.2 | length 17.4
  Top Layer w0.254: DS0.9@46.08,51.46 49.416,48.124 49.416,40.734 52.852,37.298 52.877,37.298 53.15,37.025 R80.2@53.15,37
c1: DS2.8 R44.2 | length 21.9
  Top Layer w0.254: R44.2@5.65,54.5 5.65,54.525 7.025,55.9 12.463,55.9 18.11,50.253 22.747,50.253 DS2.8@24.08,48.92
c2: DS1.8 R47.2 | length 34.5
  Top Layer w0.254: R47.2@17.15,31.5 17.15,31.525 18.225,32.6 22.6,32.6 24.192,34.192 24.192,37.124 24.192,37.91 26.798,40.516 35.679,40.516 37.4,42.237 37.4,46.6 DS1.8@35.08,48.92
c3: DS0.8 R78.2 | length 16
  Top Layer w0.254: R78.2@44.15,37 44.15,37.025 45.217,38.092 46.81,38.092 48.908,40.19 48.908,46.092 DS0.8@46.08,48.92
d1: DS2.5 R48.2 | length 21.5
  Top Layer w0.254: R48.2@5.65,31.5 5.65,31.525 7.025,32.9 11.5,32.9 12.7,34.1 12.7,39.3 17.24,43.84 DS2.5@19,43.84
d2: DS1.5 R51.2 | length 45.1
  Top Layer w0.254: R51.2@5.65,9.5 5.65,9.525 6.925,10.8 v1(8,10.8)
  Bottom Layer w0.254: v1(8,10.8) 10.5,13.3 10.5,24.34 DS1.5@30,43.84
d3: DS0.5 R76.2 | length 43
  Top Layer w0.254: R76.2@35.15,61 35.15,61.025 36.701,62.576 51.024,62.576 52,61.6 52,58.8 51,57.8 46.3,57.8 44.4,55.9 44.4,47.24 DS0.5@41,43.84
e1: DS2.4 R52.2 | length 17.2
  Top Layer w0.254: R52.2@5.65,37 5.65,37.025 7.025,38.4 11.02,38.4 DS2.4@19,46.38
e2: DS1.4 R55.2 | length 42.1
  Top Layer w0.254: R55.2@5.65,15 5.65,15.025 6.925,16.3 v1(8,16.3)
  Bottom Layer w0.254: v1(8,16.3) 9.908,18.208 9.908,24.466 27.592,42.15 27.592,43.972 DS1.4@30,46.38
e3: DS0.4 R74.2 | length 17.9
  Top Layer w0.254: DS0.4@41,46.38 43.892,49.272 43.892,57.18 42.2,58.872 42.2,60 43.2,61 R74.2@44.15,61
f1: DS2.2 R56.2 | length 21.1
  Top Layer w0.254: R56.2@5.65,60.5 5.65,60.525 7.025,61.9 12,61.9 13.1,60.8 13.1,55.982 17.622,51.46 DS2.2@19,51.46
f2: DS1.2 R59.2 | length 38.1
  Top Layer w0.254: R59.2@5.65,26 6.95,27.3 v1(8,27.3)
  Bottom Layer w0.254: v1(8,27.3) 11.305,27.3 26.576,42.571 26.576,48.036 DS1.2@30,51.46
f3: DS0.2 R72.2 | length 35.9
  Top Layer w0.254: R72.2@17.15,61 17.15,60.975 16.1,59.925 16.1,58 17.259,56.841 41.341,56.841 42.876,55.306 42.876,53.336 DS0.2@41,51.46
g1: DS2.3 R60.2 | length 14.6
  Top Layer w0.254: R60.2@5.65,49 5.65,49.025 7.025,50.4 17.245,50.4 18.725,48.92 DS2.3@19,48.92
g2: DS1.3 R63.2 | length 39.1
  Top Layer w0.254: R63.2@5.65,20.5 5.65,20.525 6.925,21.8 v1(8,21.8)
  Bottom Layer w0.254: v1@8,21.801 9.4,23.201 9.4,24.677 27.084,42.361 27.084,46.004 DS1.3@30,48.92
g3: DS0.3 R70.2 | length 30.4
  Top Layer w0.254: R70.2@26.15,61 26.15,61.025 27.725,62.6 32.5,62.6 33.4,61.7 33.4,58.3 34.351,57.349 41.551,57.349 43.384,55.516 43.384,51.304 DS0.3@41,48.92
GND: C1.1 C2.1 C3.1 C4.1 LCD1.1 LCD1.5 LCD1.16 P1.12 P1.30 P2.12 P2.30 P3.2 P3.4 Q1.2 Q2.2 Q3.2 Q4.2 Q5.2 Q6.2 Q7.2 Q8.2 Q9.2 Q10.2 Q11.2 Q12.2 Q13.2 Q14.2 Q15.2 Q16.2 Q17.2 Q18.2 Q19.2 Q20.2 Q21.2 Q22.2 Q23.2 Q24.2 Q25.2 Q26.2 Q27.2 Q28.2 Q29.2 Q30.2 Q31.2 Q32.2 Q33.2 Q34.2 Q35.2 Q36.2 Q37.2 Q38.2 Q39.2 Q40.2 Q41.2 Q42.2 R21.1 R22.1 R25.1 R26.1 R29.1 R30.1 R33.1 R34.1 R86.1 R88.1 R90.1 R92.1 SW0.1 SW1.1 SW2.1 SW3.1 SW4.1 SW5.1 SW6.1 SW7.1 U1.2 U2.2 U3.2 U4.2 U5.2 U6.2 U7.2 U8.2 U9.2 U10.2 U11.2 U12.2 VR1.3
  other v1: 65.948,12.746 77.759,21.179 75.8,23.2 49.057,24.456 68.539,24.532 24.419,24.761 65.999,29.688 78.978,56.892 42.504,57.476 32.953,57.527 80.578,61.768
GPIO_0-0: P1.1 R2.1 | length 90.1
  Top Layer w0.254: v1(47.6,57) 50.432,54.168 50.432,44.968 v1(51.1,44.3) ; R2.1@72.15,24.5 72.15,24.475 74.225,22.4 v1(78.7,22.4)
  Bottom Layer w0.254: v1(47.6,57) 47.6,63.89 P1.1@54.05,70.34 ; v1(51.1,44.3) 53.1,42.3 72.4,42.3 74.4,44.3 79,44.3 80.1,43.2 80.1,23.8 v1(78.7,22.4)
GPIO_0-1: P1.2 R84.1 | length 8.6
  Top Layer w0.254: R84.1@47.5,68 47.5,68.025 47.773,68.298 47.798,68.298 52.38,72.88 P1.2@54.05,72.88
GPIO_0-2: P1.3 R67.1 | length 52.4
  Top Layer w0.254: v1(33.8,37.8) 33.753,37.753 33.753,36.422 35.15,35.025 R67.1@35.15,35
  Bottom Layer w0.254: v1(33.8,37.8) 34.608,38.608 46.59,38.608 48.4,40.418 48.4,62.155 56.585,70.34 P1.3@56.59,70.34
GPIO_0-3: P1.4 R69.1 | length 40.8
  Top Layer w0.254: R69.1@26.15,59 26.15,59.025 25.1,60.075 25.1,61.9 27.3,64.1 43.7,64.1 44.6,65 51.2,65 55.257,69.057 55.257,71.547 P1.4@56.59,72.88
GPIO_0-4: P1.5 R71.1 | length 49.4
  Top Layer w0.254: R71.1@17.15,59 17.15,58.975 18.776,57.349 23.549,57.349 v1(24.7,58.5) ; v1(33.7,62.9) 33.7,62.967 34.325,63.592 54.592,63.592 59.13,68.13 P1.5@59.13,70.34
  Bottom Layer w0.254: v1(24.7,58.5) 29.3,58.5 v1(33.7,62.9)
GPIO_0-5: P1.6 R73.1 | length 25.8
  Top Layer w0.254: v1(42.9,59.7) 43.451,59.149 44.001,59.149 R73.1@44.15,59 ; v1(45.5,64.3) 53,64.3 57.923,69.223 57.923,71.673 P1.6@59.13,72.88
  Bottom Layer w0.254: v1(42.9,59.7) 42.9,61.7 v1(45.5,64.3)
GPIO_0-6: P1.7 R75.1 | length 35.5
  Top Layer w0.254: R75.1@35.15,59 35.15,59.025 34.1,60.075 34.1,61.9 35.284,63.084 56.284,63.084 61.67,68.47 P1.7@61.67,70.34
GPIO_0-7: P1.8 R77.1 | length 50.8
  Top Layer w0.254: v1(42.7,37.5) 42.747,37.453 42.747,36.428 44.15,35.025 R77.1@44.15,35
  Bottom Layer w0.254: v1(42.7,37.5) 43.3,38.1 46.8,38.1 48.908,40.208 48.908,61.945 52.063,65.1 56.1,65.1 60.337,69.337 60.337,71.547 P1.8@61.67,72.88
GPIO_0-8: P1.9 R79.1 | length 45.8
  Top Layer w0.254: v1(51.6,36.6) 51.6,36.575 53.15,35.025 R79.1@53.15,35
  Bottom Layer w0.254: v1(51.6,36.6) 49.924,38.276 49.924,61.524 52,63.6 57.47,63.6 P1.9@64.21,70.34
GPIO_0-9: P1.10 R81.1 | length 58.4
  Top Layer w0.254: v1(60.6,35) R81.1@62.15,35
  Bottom Layer w0.254: v1(60.6,35) 59.892,35.708 51.392,35.708 49.416,37.684 49.416,61.734 51.79,64.108 57.26,64.108 62.877,69.725 62.877,71.547 P1.10@64.21,72.88
GPIO_0-10: LCD1.4 P1.13 | length 24.4
  Top Layer w0.254: P1.13@69.29,70.34 74.438,65.192 88.428,65.192 LCD1.4@90.62,63
GPIO_0-11: LCD1.6 P1.14 | length 48
  Top Layer w0.254: P1.14@69.29,72.88 68.01,71.6 63.763,71.6 62.9,70.737 62.9,67 65.984,63.916 72.202,63.916 76.153,59.965 92.665,59.965 v1(93.4,60.7)
  Bottom Layer w0.254: v1(93.4,60.7) LCD1.6@95.7,63
GPIO_0-12: LCD1.7 P1.15 | length 29.5
  Top Layer w0.254: P1.15@71.83,70.34 76.47,65.7 95.54,65.7 LCD1.7@98.24,63
GPIO_0-13: LCD1.8 P1.16 | length 34
  Top Layer w0.254: P1.16@71.83,72.88 73.163,71.547 73.163,69.84 76.795,66.208 97.572,66.208 LCD1.8@100.78,63
GPIO_0-14: LCD1.9 P1.17 | length 32
  Top Layer w0.254: P1.17@74.37,70.34 77.994,66.716 99.604,66.716 LCD1.9@103.32,63
GPIO_0-15: LCD1.10 P1.18 | length 36.6
  Top Layer w0.254: P1.18@74.37,72.88 75.577,71.673 75.577,69.966 78.319,67.224 101.636,67.224 LCD1.10@105.86,63
GPIO_0-16: LCD1.11 P1.19 | length 34.5
  Top Layer w0.254: P1.19@76.91,70.34 79.518,67.732 103.668,67.732 LCD1.11@108.4,63
GPIO_0-17: LCD1.12 P1.20 | length 39.1
  Top Layer w0.254: P1.20@76.91,72.88 78.117,71.673 78.117,69.966 79.843,68.24 105.7,68.24 LCD1.12@110.94,63
GPIO_0-18: LCD1.13 P1.21 | length 73.3
  Top Layer w0.254: v1(63,63.4) 63.5,62.9 72.5,62.9 75.943,59.457 109.937,59.457 LCD1.13@113.48,63
  Bottom Layer w0.254: v1(63,63.4) 63,64.1 67.148,68.248 77.358,68.248 P1.21@79.45,70.34
GPIO_0-19: LCD1.14 P1.22 | length 89.1
  Top Layer w0.254: v1(61.5,62.7) 61.567,62.7 61.967,62.3 71.9,62.3 v1(74.5,59.7) ; v1(108.8,53.8) 112.6,53.8 116.02,57.22 LCD1.14@116.02,63
  Bottom Layer w0.254: v1(61.5,62.7) 61.458,62.742 61.458,63.458 66.756,68.756 77.033,68.756 78.117,69.84 78.117,71.547 P1.22@79.45,72.88 ; v1(74.5,59.7) 80.4,53.8 v1(108.8,53.8)
GPIO_0-20: P1.23 R93.1 | length 69
  Top Layer w0.254: v1(97.673,51.329) 99.704,51.329 100.85,52.475 R93.1@100.85,52.5
  Bottom Layer w0.254: P1.23@81.99,70.34 78.882,67.232 70.132,67.232 62.793,59.893 62.793,55.207 67.4,50.6 88.3,50.6 89.029,51.329 v1(97.673,51.329)
GPIO_0-21: P1.24 R94.1 | length 67.1
  Top Layer w0.254: v1(78.699,49.881) 79.715,50.897 90.272,50.897 91.85,52.475 R94.1@91.85,52.5
  Bottom Layer w0.254: v1(78.699,49.881) 66.319,49.881 60.293,55.907 60.293,59.693 68.34,67.74 78.557,67.74 80.657,69.84 80.657,71.547 P1.24@81.99,72.88
GPIO_0-22: P1.25 R95.1 | length 106.6
  Top Layer w0.254: v1(117.129,50.872) 144.247,50.872 145.85,52.475 R95.1@145.85,52.5
  Bottom Layer w0.254: P1.25@84.53,70.34 80.406,66.216 73.616,66.216 67.793,60.393 67.793,55.207 71.008,51.992 116.009,51.992 v1(117.129,50.872)
GPIO_0-23: P1.26 R96.1 | length 48.6
  Top Layer w0.254: v1(76.4,51.361) 77.539,52.5 R96.1@81.15,52.5
  Bottom Layer w0.254: v1(76.4,51.361) 76.361,51.4 68.7,51.4 65.293,54.807 65.293,60.093 71.924,66.724 80.081,66.724 83.197,69.84 83.197,71.547 P1.26@84.53,72.88
GPIO_0-24: P1.27 R97.1 | length 59.9
  Top Layer w0.254: v1(106.3,53.169) 106.331,53.169 107,52.5 R97.1@108.15,52.5
  Bottom Layer w0.254: P1.27@87.07,70.34 81.93,65.2 76.2,65.2 73.2,62.2 73.2,55.9 75.931,53.169 v1(106.3,53.169)
GPIO_0-25: P1.28 R98.1 | length 97.1
  Top Layer w0.254: v1(121.2,53.8) 135.575,53.8 136.85,52.525 R98.1@136.85,52.5
  Bottom Layer w0.254: P1.28@87.07,72.88 85.863,71.673 85.863,69.966 81.605,65.708 75.308,65.708 70.293,60.693 70.293,55.207 73,52.5 119.9,52.5 v1(121.2,53.8)
GPIO_0-26: P1.31 R99.1 | length 56.4
  Top Layer w0.254: v1(115.1,54.5) 116.875,54.5 118.85,52.525 R99.1@118.85,52.5
  Bottom Layer w0.254: P1.31@92.15,70.34 86.8,64.99 86.8,62.4 85.8,61.4 84.382,61.4 82.692,59.71 82.692,56.471 84.055,55.108 109.492,55.108 110.1,54.5 v1(115.1,54.5)
GPIO_0-27: P1.32 R100.1 | length 69
  Top Layer w0.254: v1(120,53.8) 122.4,51.4 126.775,51.4 127.85,52.475 R100.1@127.85,52.5
  Bottom Layer w0.254: P1.32@92.15,72.88 90.817,71.547 90.817,69.84 87.647,66.67 87.503,66.67 84.207,63.374 84.207,61.944 82.184,59.921 82.184,56.261 83.845,54.6 109.282,54.6 110.082,53.8 v1(120,53.8)